# KiCad board Soldered Inkplate 4 TEMPERA with glass panel_panel.kicad_pcb (continued)
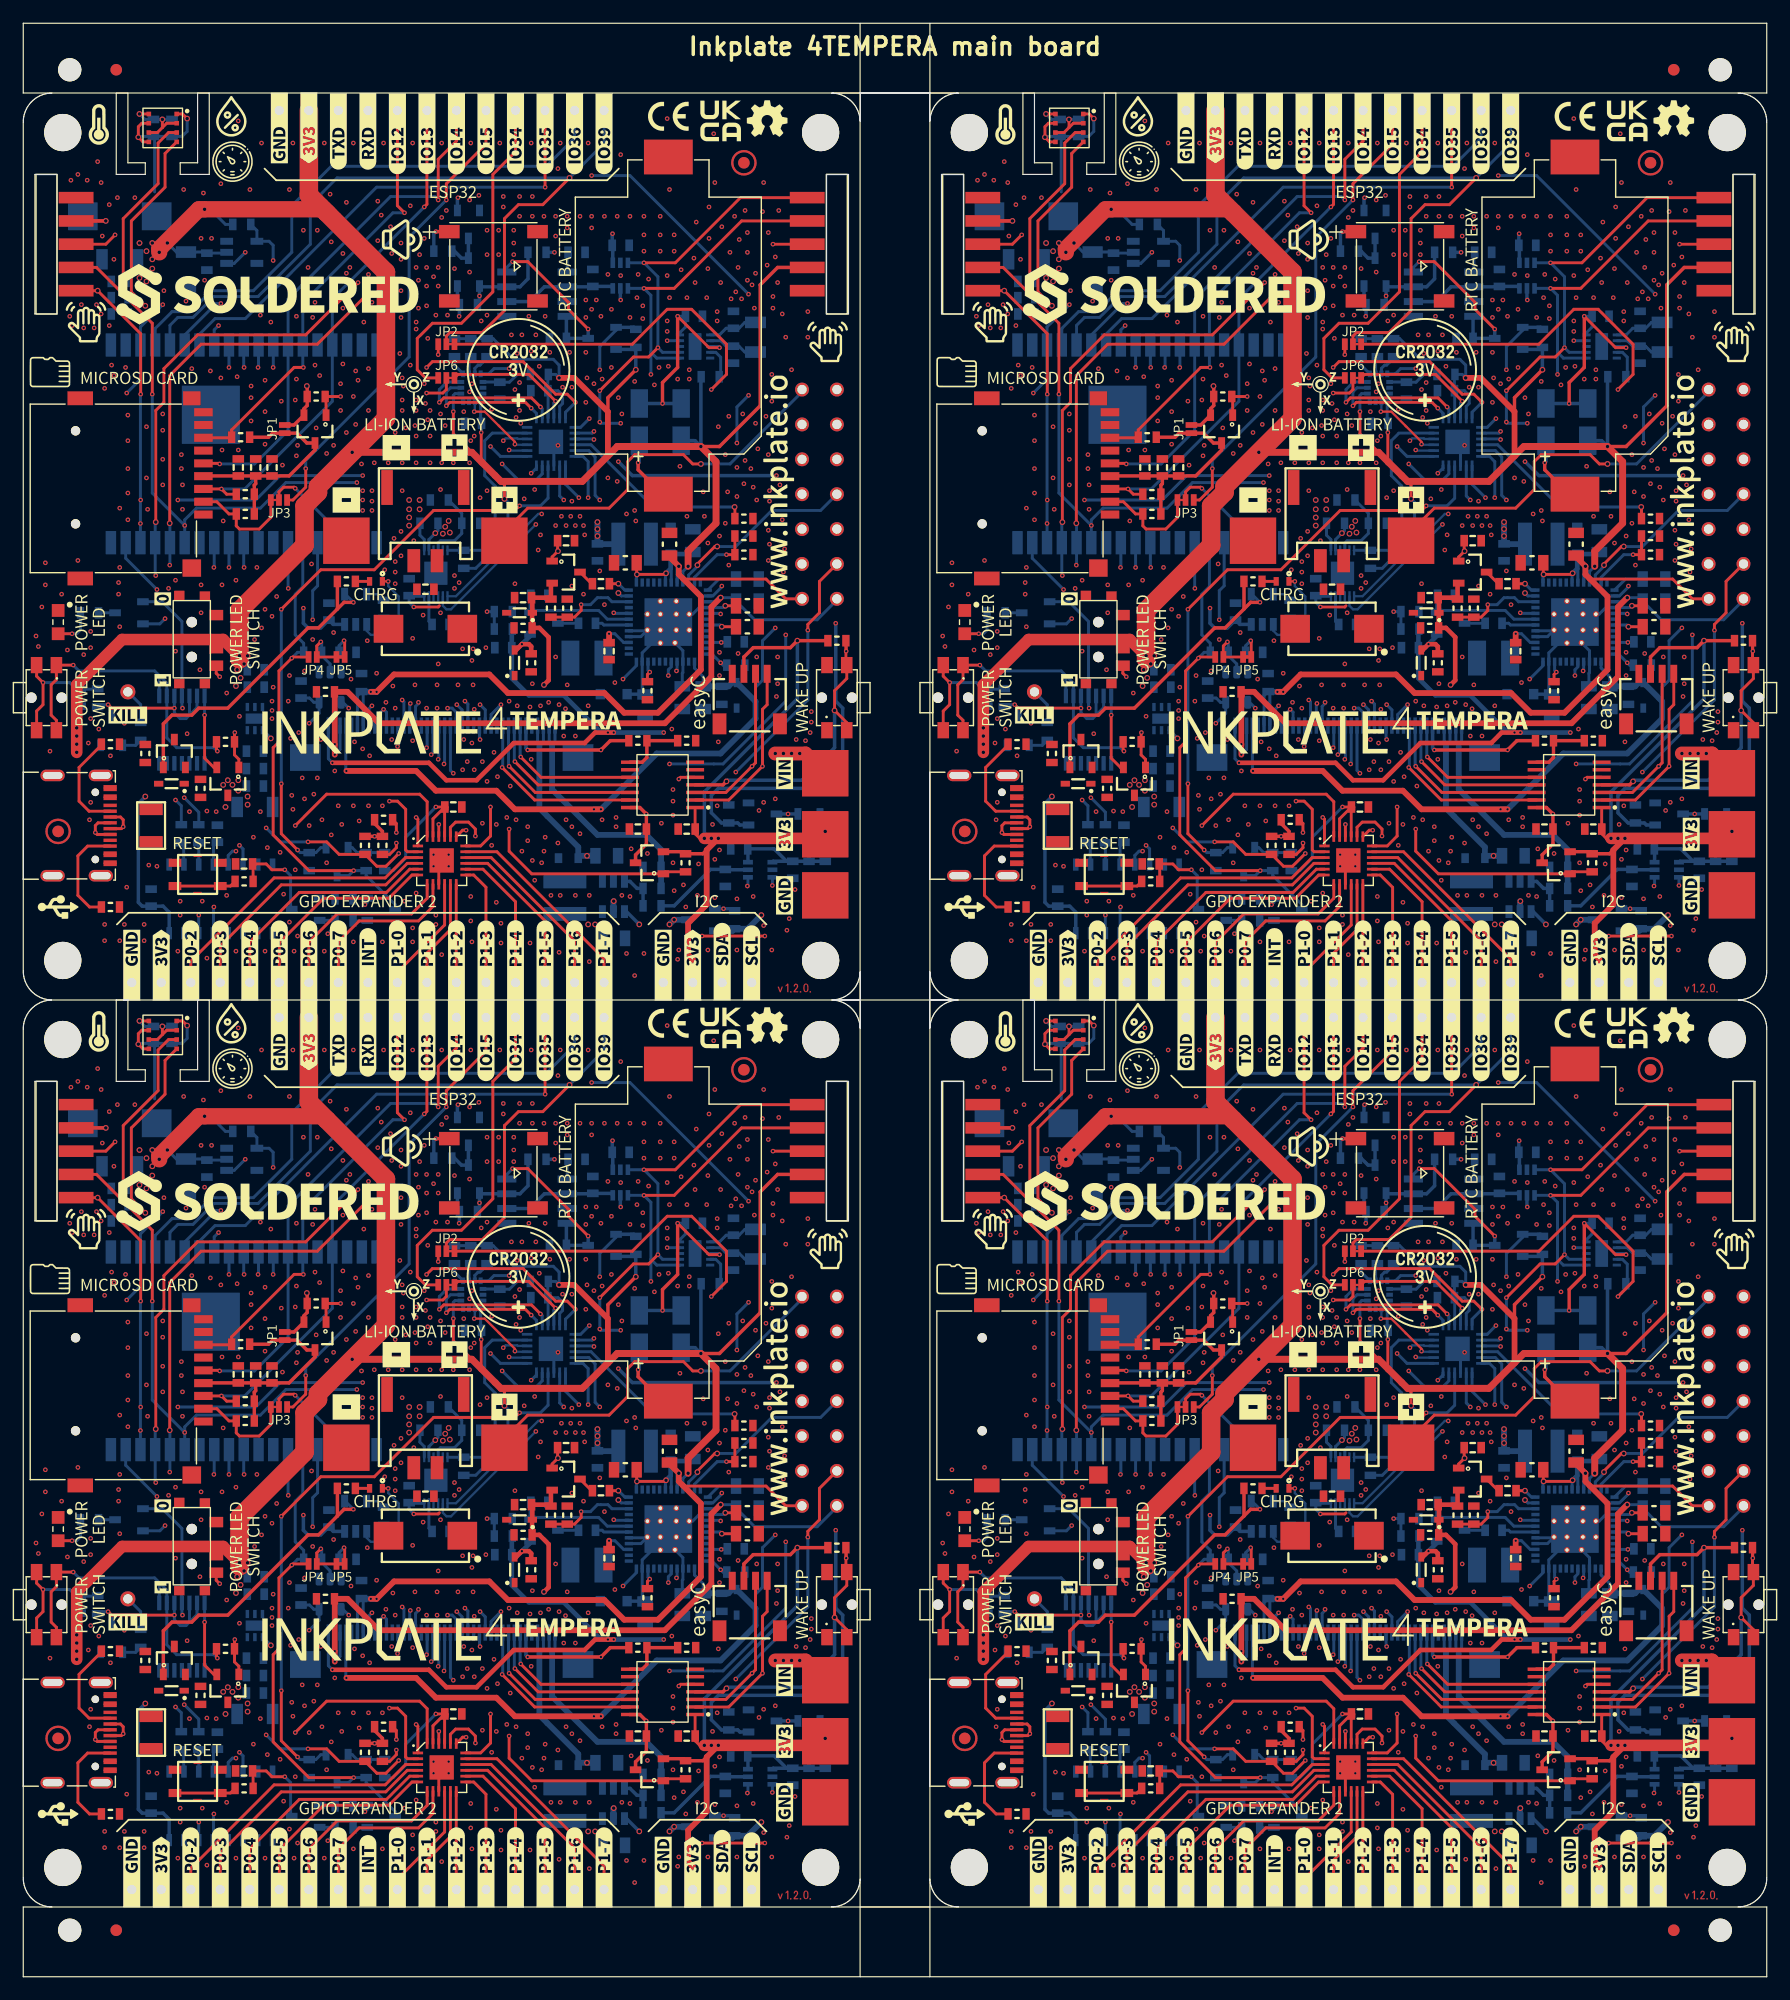
[diagram p0: board, top side]
## Copper pours and planes (outline as drawn; the poured copper is in the pictures) (continued)
Board_1-/POWER/VN_SW on Bottom: 129.7,113.9 130.4,113.9 130.4,113.6 129.7,113.6 128.7,113.1 128.7,111.9 128.1,110.8 128.1,109.8 127.2,109.8 127.2,110.8 127.1,111.9 127.1,114.9 128.7,114.9
Board_1-GND on Top, Bottom, In1.Cu, In2.Cu: 150,84 78,84 78,162 150,162
Board_1-Net-(D13-Pad1) on Bottom: 124.4,96 125,94.8 128.2,94.8 128.2,93.6 122.7,93.6 122.7,94.8 123.7,95.9 123.7,96.6 124.4,96.6
Board_1-Net-(F1-Pad2) on Top: 90,97.1 89.2,96.3 84.9,96.3 84.9,96.8 86.1,96.8 88,98.1 90,98.1
Board_1-Net-(F1-Pad2) on Top: 87.6,100.8 87.6,98.6 88,98.1 90,98.1 90,97.1 87,97.1 87,100.5 86,101.2 84.9,101.2 84.9,101.7 86.3,101.7
Board_1-SW_IN on Top: 94.95,103.45 93.8,102.3 91.45,102.3 91.45,102.85 91.6,103.1 91.6,104.5 94.95,104.5
Board_1-VBAT on Top: 121.4,121.5 117.1,119.1 117.1,114.7 114.5,114.7 113,118.8 113,125.2 113.3,125.5 121.4,125.5
Board_1-VBAT on Bottom: 115,125.2 115,124 114.1,123.7 113.4,123.7 113.2,123.9 113.2,125.4 113.3,125.5 114.7,125.5
Board_1-VIN on Top, In2.Cu: 97.6,102.8 97.6,100.7 97.2,100.3 95.3,100.3 94.9,100.7 92.95,100.7 92.75,100.95 92.75,101.75 93.8,101.75 95.3,103.2 97.2,103.2
Board_1-VIN on Bottom: 97.5,106.8 97.6,106.5 97.6,100.7 96.9,99.7 95.9,99.7 94.9,100.7 94.9,104.8 96.8,105.9 97.1,106.8 97.1,107.5 97.5,107.5
Board_1-VIN_BCK on Bottom: 128.2,92.2 128.2,91 128.3,90.3 128.3,88.6 127.4,88.6 122.7,90.8 122.7,92.2
Board_1-VSYS on Top: 93.3,107.8 93.3,106.2 93,105.9 90.7,105.9 90.7,107.8 91,108.1 93,108.1
Board_1-VSYS on Bottom: 113.4,126.5 112.5,125.6 112.5,124.5 111.1,124.5 110.7,124.9 110.7,127.1 111.1,127.5 113.4,127.5
Board_1-VSYS on In2.Cu: 112.8,127.3 112.8,125.9 111.4,124.5 111.1,124.5 110.7,124.9 110.7,127.1 111.1,127.5 112.6,127.5
Board_1-VUSB on Top: 89.6,104.5 90.4,104.5 90.4,103.4 90.05,102.9 90.05,102.25 90,102.1 90,99.9 88,99.9 88,104.8 89,104.8
Board_2-3V3 on Top: 12.8,71.5 12.8,70.6 11.8,68.7 10.8,66.9 9.9,66.9 9.6,67.2 9.6,71 9.9,71.5
Board_2-3V3 on Top: 19.7,33.9 18.6,32.7 18.2,32.7 18,32.9 18,35.6 18.3,35.9 19.4,35.9 19.7,35.6
Board_2-3V3 on Bottom: 12.8,70.6 9.5,64.5 9.3,63.9 9.3,61.3 8.4,61.3 8.4,63.9 8.6,64.4 8.6,70.5 10.2,74.6 12.8,74.6
Board_2-3V3 on Bottom: 19.7,35.6 19.7,32.4 19.5,31.7 19.5,30.9 19.1,30.9 19.1,31.7 18,32.9 18,35.6 18.3,35.9 19.4,35.9
Board_2-/POWER/VB_SW on Bottom: 56.2,47.1 56.2,46.2 55.3,46.2 54.7,45.3 54.7,43.3 54.4,42.3 54.4,41.6 54.1,41.6 54.1,42.3 53.4,43.3 53.4,47.1
Board_2-/POWER/VN_SW on Bottom: 51.7,35.9 52.4,35.9 52.4,35.6 51.7,35.6 50.7,35.1 50.7,33.9 50.1,32.8 50.1,31.8 49.2,31.8 49.2,32.8 49.1,33.9 49.1,36.9 50.7,36.9
Board_2-GND on Top, Bottom, In1.Cu, In2.Cu: 72,6 0,6 0,84 72,84
Board_2-Net-(D13-Pad1) on Bottom: 46.4,18 47,16.8 50.2,16.8 50.2,15.6 44.7,15.6 44.7,16.8 45.7,17.9 45.7,18.6 46.4,18.6
Board_2-Net-(F1-Pad2) on Top: 9.6,22.8 9.6,20.6 10,20.1 12,20.1 12,19.1 9,19.1 9,22.5 8,23.2 6.9,23.2 6.9,23.7 8.3,23.7
Board_2-Net-(F1-Pad2) on Top: 12,19.1 11.2,18.3 6.9,18.3 6.9,18.8 8.1,18.8 10,20.1 12,20.1
Board_2-SW_IN on Top: 16.95,25.45 15.8,24.3 13.45,24.3 13.45,24.85 13.6,25.1 13.6,26.5 16.95,26.5
Board_2-VBAT on Top: 43.4,43.5 39.1,41.1 39.1,36.7 36.5,36.7 35,40.8 35,47.2 35.3,47.5 43.4,47.5
Board_2-VBAT on Bottom: 37,47.2 37,46 36.1,45.7 35.4,45.7 35.2,45.9 35.2,47.4 35.3,47.5 36.7,47.5
Board_2-VIN on Top, In2.Cu: 19.6,24.8 19.6,22.7 19.2,22.3 17.3,22.3 16.9,22.7 14.95,22.7 14.75,22.95 14.75,23.75 15.8,23.75 17.3,25.2 19.2,25.2
Board_2-VIN on Bottom: 19.5,28.8 19.6,28.5 19.6,22.7 18.9,21.7 17.9,21.7 16.9,22.7 16.9,26.8 18.8,27.9 19.1,28.8 19.1,29.5 19.5,29.5
Board_2-VIN_BCK on Bottom: 50.2,14.2 50.2,13 50.3,12.3 50.3,10.6 49.4,10.6 44.7,12.8 44.7,14.2
Board_2-VSYS on Top: 15.3,29.8 15.3,28.2 15,27.9 12.7,27.9 12.7,29.8 13,30.1 15,30.1
Board_2-VSYS on Bottom: 35.4,48.5 34.5,47.6 34.5,46.5 33.1,46.5 32.7,46.9 32.7,49.1 33.1,49.5 35.4,49.5
Board_2-VSYS on In2.Cu: 34.8,49.3 34.8,47.9 33.4,46.5 33.1,46.5 32.7,46.9 32.7,49.1 33.1,49.5 34.6,49.5
Board_2-VUSB on Top: 11.6,26.5 12.4,26.5 12.4,25.4 12.05,24.9 12.05,24.25 12,24.1 12,21.9 10,21.9 10,26.8 11,26.8
Board_3-3V3 on Top: 97.7,33.9 96.6,32.7 96.2,32.7 96,32.9 96,35.6 96.3,35.9 97.4,35.9 97.7,35.6
Board_3-3V3 on Top: 90.8,71.5 90.8,70.6 89.8,68.7 88.8,66.9 87.9,66.9 87.6,67.2 87.6,71 87.9,71.5
Board_3-3V3 on Bottom: 97.7,35.6 97.7,32.4 97.5,31.7 97.5,30.9 97.1,30.9 97.1,31.7 96,32.9 96,35.6 96.3,35.9 97.4,35.9
Board_3-3V3 on Bottom: 90.8,70.6 87.5,64.5 87.3,63.9 87.3,61.3 86.4,61.3 86.4,63.9 86.6,64.4 86.6,70.5 88.2,74.6 90.8,74.6
Board_3-/POWER/VB_SW on Bottom: 134.2,47.1 134.2,46.2 133.3,46.2 132.7,45.3 132.7,43.3 132.4,42.3 132.4,41.6 132.1,41.6 132.1,42.3 131.4,43.3 131.4,47.1
Board_3-/POWER/VN_SW on Bottom: 129.7,35.9 130.4,35.9 130.4,35.6 129.7,35.6 128.7,35.1 128.7,33.9 128.1,32.8 128.1,31.8 127.2,31.8 127.2,32.8 127.1,33.9 127.1,36.9 128.7,36.9
Board_3-GND on Top, Bottom, In1.Cu, In2.Cu: 150,6 78,6 78,84 150,84
Board_3-Net-(D13-Pad1) on Bottom: 124.4,18 125,16.8 128.2,16.8 128.2,15.6 122.7,15.6 122.7,16.8 123.7,17.9 123.7,18.6 124.4,18.6
Board_3-Net-(F1-Pad2) on Top: 90,19.1 89.2,18.3 84.9,18.3 84.9,18.8 86.1,18.8 88,20.1 90,20.1
Board_3-Net-(F1-Pad2) on Top: 87.6,22.8 87.6,20.6 88,20.1 90,20.1 90,19.1 87,19.1 87,22.5 86,23.2 84.9,23.2 84.9,23.7 86.3,23.7
Board_3-SW_IN on Top: 94.95,25.45 93.8,24.3 91.45,24.3 91.45,24.85 91.6,25.1 91.6,26.5 94.95,26.5
Board_3-VBAT on Top: 121.4,43.5 117.1,41.1 117.1,36.7 114.5,36.7 113,40.8 113,47.2 113.3,47.5 121.4,47.5
Board_3-VBAT on Bottom: 115,47.2 115,46 114.1,45.7 113.4,45.7 113.2,45.9 113.2,47.4 113.3,47.5 114.7,47.5
Board_3-VIN on Top, In2.Cu: 97.6,24.8 97.6,22.7 97.2,22.3 95.3,22.3 94.9,22.7 92.95,22.7 92.75,22.95 92.75,23.75 93.8,23.75 95.3,25.2 97.2,25.2
Board_3-VIN on Bottom: 97.5,28.8 97.6,28.5 97.6,22.7 96.9,21.7 95.9,21.7 94.9,22.7 94.9,26.8 96.8,27.9 97.1,28.8 97.1,29.5 97.5,29.5
Board_3-VIN_BCK on Bottom: 128.2,14.2 128.2,13 128.3,12.3 128.3,10.6 127.4,10.6 122.7,12.8 122.7,14.2
Board_3-VSYS on Top: 93.3,29.8 93.3,28.2 93,27.9 90.7,27.9 90.7,29.8 91,30.1 93,30.1
Board_3-VSYS on Bottom: 113.4,48.5 112.5,47.6 112.5,46.5 111.1,46.5 110.7,46.9 110.7,49.1 111.1,49.5 113.4,49.5
Board_3-VSYS on In2.Cu: 112.8,49.3 112.8,47.9 111.4,46.5 111.1,46.5 110.7,46.9 110.7,49.1 111.1,49.5 112.6,49.5
Board_3-VUSB on Top: 89.6,26.5 90.4,26.5 90.4,25.4 90.05,24.9 90.05,24.25 90,24.1 90,21.9 88,21.9 88,26.8 89,26.8

## Text on the board
F.Silkscreen: Inkplate 4TEMPERA main board
User.8: V-CUT
User.9: CUT-OUT
